# KiCad board electrosteel2020_10_arrange7_synthboardsonlyrev7.kicad_pcb
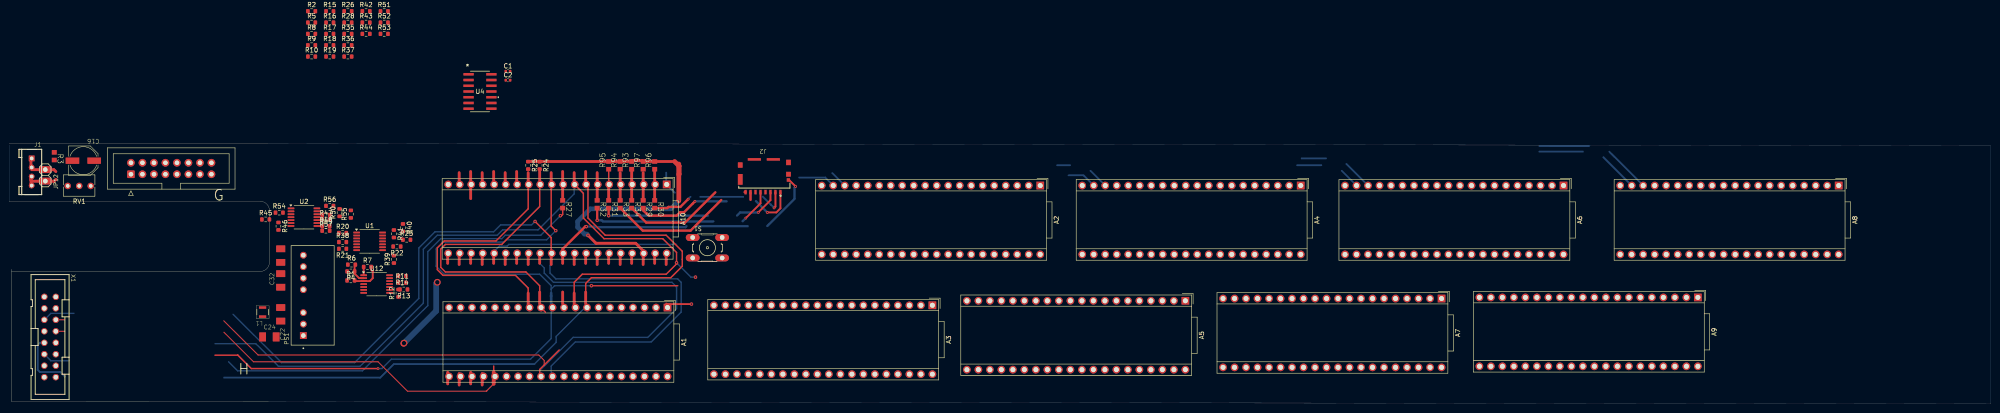
[diagram p0: board, top side]
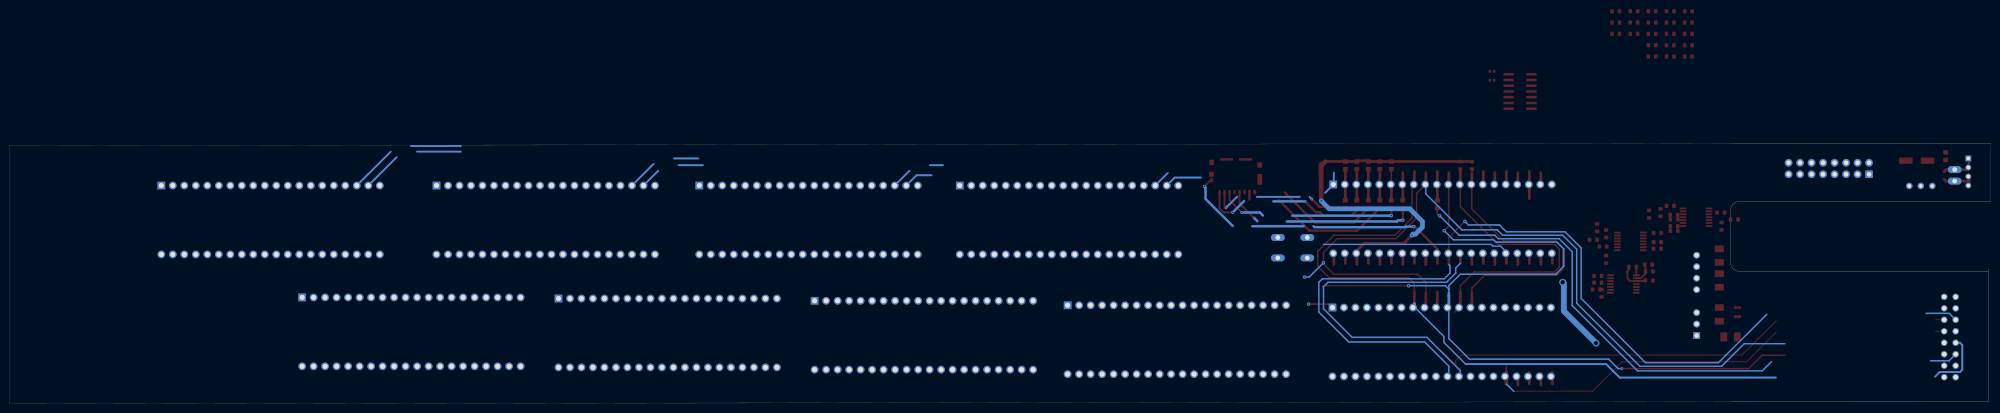
[diagram p1: board, bottom side, seen from below]

Outline 437.75 x 57.68 mm; copper layers: Top, In1.Cu, In2.Cu, Bottom. Coordinates in mm from the lower left corner of the outline.
Outline path: 0,57.68 57.26,57.68 ; 0,57.33 0,44.83 55.5,44.83 arc(56.91,44.25) 57.5,42.83 57.5,31.33 arc(56.91,29.92) 55.5,29.33 0.5,29.33 ; 0.5,29.83 0.5,0.53 57.26,0.51 437.75,0 437.75,57.15 57.26,57.66

## Placement (name value [footprint] x y rotation side)
A1  Electrosmith_Daisy_Seed_Rev4  [Electrosmith_Daisy_Seed]  145.44 21.33 270 top
A2  Electrosmith_Daisy_Seed_Rev4  [Electrosmith_Daisy_Seed]  227.76 48.33 270 top
A3  Electrosmith_Daisy_Seed_Rev4  [Electrosmith_Daisy_Seed]  203.94 21.83 270 top
A4  Electrosmith_Daisy_Seed_Rev4  [Electrosmith_Daisy_Seed]  285.3 48.33 270 top
A5  Electrosmith_Daisy_Seed_Rev4  [Electrosmith_Daisy_Seed]  259.82 22.83 270 top
A6  Electrosmith_Daisy_Seed_Rev4  [Electrosmith_Daisy_Seed]  343.34 48.33 270 top
A7  Electrosmith_Daisy_Seed_Rev4  [Electrosmith_Daisy_Seed]  316.4 23.33 270 top
A8  Electrosmith_Daisy_Seed_Rev4  [Electrosmith_Daisy_Seed]  404.12 48.33 270 top
A9  Electrosmith_Daisy_Seed_Rev4  [Electrosmith_Daisy_Seed]  373.02 23.57 270 top
A10  Electrosmith_Daisy_Seed_Rev4  [Electrosmith_Daisy_Seed]  145.26 48.57 270 top
C1  C  [C_0402_1005Metric]  110.19 73.61 0 top
C2  C  [C_0402_1005Metric]  110.19 71.64 0 top
C16  22uf  [PANASONIC_D]  16.4 53.83 0 top
C22  10uf  [C1206K]  60 19.83 270 top
C23  10uf  [C1206K]  60 32.83 90 top
C24  10uf  [C1206K]  57.5 14.83 0 top
C32  10uf  [C1206K]  60 27.33 90 top
J1  4P-2.0  [HW4-2.0_8004395]  5 51.33 270 top
J2  -  [105162-0001]  166.82 54.22 0 top
J3  Conn_02x08_Counter_Clockwise  [IDC-Header_2x08_P2.54mm_Vertical]  26.92 50.83 90 top
JP12  PINHD-1X2  [1X02_16378166]  8.01 50.59 270 top
L1  2.2uH  [BOURNS_SRP2010]  56 20.33 90 top
PS1  UWE1215S-3WR3  [CONV_UWE1215S-3WR3]  67.05 24.02 90 top
R1  10K  [R_0603_1608Metric]  75.49 27.33 0 top
R2  10K  [R_0603_1608Metric]  66.83 86.91 0 top
R3  560R  [R0603]  10 54.83 270 top
R4  10K  [R_0603_1608Metric]  75.5 29.33 180 top
R5  10K  [R_0603_1608Metric]  66.83 84.4 0 top
R6  10K  [R_0603_1608Metric]  75.65 30.83 0 top
R7  10K  [R_0603_1608Metric]  79.15 30.33 0 top
R8  10K  [R_0603_1608Metric]  66.83 81.89 0 top
R9  10K  [R_0603_1608Metric]  66.83 79.38 0 top
R10  10K  [R_0603_1608Metric]  66.83 76.87 0 top
R11  10K  [R_0603_1608Metric]  86.83 26.83 0 top
R12  10K  [R_0603_1608Metric]  86 24.51 90 top
R13  10K  [R_0603_1608Metric]  87.17 25.33 180 top
R14  10K  [R_0603_1608Metric]  86.83 28.33 180 top
R15  10K  [R_0603_1608Metric]  70.84 86.91 0 top
R16  10K  [R_0603_1608Metric]  70.84 84.4 0 top
R17  10K  [R_0603_1608Metric]  70.84 81.89 0 top
R18  10K  [R_0603_1608Metric]  70.84 79.38 0 top
R19  10K  [R_0603_1608Metric]  70.84 76.87 0 top
R20  10K  [R_0603_1608Metric]  73.67 37.83 0 top
R21  10K  [R_0603_1608Metric]  73.67 34.33 180 top
R22  10K  [R_0603_1608Metric]  85.67 34.83 180 top
R23  10K  [R_0603_1608Metric]  87.83 36.33 0 top
R24  2K  [R_0603_1608Metric]  117.2 52.8 270 top
R25  2K  [R_0603_1608Metric]  114.66 52.8 270 top
R26  10K  [R_0603_1608Metric]  74.84 86.91 0 top
R27  47R  [R0603]  122.28 44.2 270 top
R28  10K  [R_0603_1608Metric]  74.84 84.4 0 top
R29  47R  [R0603]  140.06 44.2 270 top
R30  47R  [R0603]  142.6 44.2 270 top
R31  47R  [R0603]  132.44 44.2 270 top
R32  47R  [R0603]  129.9 44.2 270 top
R33  47R  [R0603]  134.98 44.2 270 top
R34  47R  [R0603]  137.52 44.2 270 top
R35  10K  [R_0603_1608Metric]  74.84 81.89 0 top
R36  10K  [R_0603_1608Metric]  74.84 79.38 0 top
R37  10K  [R_0603_1608Metric]  74.84 76.87 0 top
R38  10K  [R_0603_1608Metric]  73.67 35.83 0 top
R39  10K  [R_0603_1608Metric]  85 32.01 90 top
R40  10K  [R_0603_1608Metric]  87 39.01 270 top
R41  10K  [R_0603_1608Metric]  85 37.66 270 top
R42  10K  [R_0603_1608Metric]  78.86 86.91 0 top
R43  10K  [R_0603_1608Metric]  78.86 84.4 0 top
R44  10K  [R_0603_1608Metric]  78.86 81.89 0 top
R45  10K  [R_0603_1608Metric]  56.67 40.83 0 top
R46  10K  [R_0603_1608Metric]  59.5 39.33 270 top
R47  10K  [R_0603_1608Metric]  69.99 40.83 0 top
R48  10K  [R_0603_1608Metric]  69.99 39.33 0 top
R49  10K  [R_0603_1608Metric]  70.01 41.83 180 top
R50  10K  [R_0603_1608Metric]  73 42.34 90 top
R51  10K  [R_0603_1608Metric]  82.86 86.91 0 top
R52  10K  [R_0603_1608Metric]  82.86 84.4 0 top
R53  10K  [R_0603_1608Metric]  82.86 81.89 0 top
R54  10K  [R_0603_1608Metric]  59.67 42.33 0 top
R55  10K  [R_0603_1608Metric]  75.5 42.01 90 top
R56  10K  [R_0603_1608Metric]  70.83 43.83 0 top
R57  600R  [R_0603_1608Metric]  69.99 38.33 0 top
R93  47k  [R0603]  137.52 52.8 90 top
R94  47k  [R0603]  134.98 52.8 90 top
R95  47k  [R0603]  132.44 52.8 90 top
R96  47k  [R0603]  142.6 52.8 90 top
R97  47k  [R0603]  140.06 52.8 90 top
RV1  50k  [Potentiometer_Bourns_3266Y_Vertical]  12.96 48.24 180 top
S1  10-XX  [B3F-10XX_377]  154.25 34.57 0 top
U1  OPA1664PW  [TSSOP-14_4.4x5mm_P0.65mm]  79.64 35.98 0 top
U2  OPA1664PW  [TSSOP-14_4.4x5mm_P0.65mm]  65.14 41.33 0 top
U4  INA2134UA  [D14-M]  104.01 69.14 0 top
U12  OPA1664PW  [TSSOP-14_4.4x5mm_P0.65mm]  81.19 26.53 0 top
X1  2516-  [PAK100_2500-16_119]  9.06 14.81 270 top

## Library data of the parts
A1-A10 = -: Datasheet: https://static1.squarespace.com/static/58d03fdc1b10e3bf442567b8/t/6227e6236f02fb68d1577146/1646781988478/Daisy_Seed_datasheet_v1.0.3.pdf; Description: Daisy is an embedded platform for music.; ki_fp_filters: Electrosmith*Daisy*Seed*
C1 C2 = -: Description: Unpolarized capacitor; ki_fp_filters: C_*
C16 = -: Description: POLARIZED CAPACITOR, American symbol; PARTNO: EEE-1CA220NP
C22-C24 C32 = -: Description: CAPACITOR, European symbol; PARTNO: TMK316F106ZL-T
J1 = -: Description: 320110033; PARTNO: 110990030
J2 = -: Description: Memory Card Connectors 1.45H MICRO SD HEADER WITH D/C PIN / Source: http://www.molex.com/webdocs/datasheets/pdf/en-us//1051620001_MEMORY_CARD_SOCKET.pdf  Datasheet   https://pricing.snapeda.com/parts/1051620001/Molex/view-part?ref=eda Check prices
J3 = -: Description: Generic connector, double row, 02x08, counter clockwise pin numbering scheme (similar to DIP package numbering), script generated (kicad-library-utils/schlib/autogen/connector/); ki_fp_filters: Connector*:*_2x??_*
JP12 = -: Description: PIN HEADER; PARTNO: *DNP
L1 = -: PARTNO: SRP2010-2R2M
PS1 = -: Description: DC/DC Converter
R1 R2 R4-R26 R28 R35-R57 = -: Description: Resistor; ki_fp_filters: R_*
R3 = -: Description: RESISTOR, American symbol; PARTNO: ESR03EZPF5600
R27 R29-R34 = -: Description: RESISTOR, American symbol; PARTNO: RC0603JR-0747RL
R93-R97 = -: Description: RESISTOR, American symbol; PARTNO: ESR03EZPJ473
RV1 = -: Description: Trim-potentiometer, US symbol; ki_fp_filters: Potentiometer*
S1 = -: Description: OMRON SWITCH
U1 U2 U12 = -: Datasheet: https://www.ti.com/lit/ds/symlink/opa1664.pdf; Description: Quad Low-Power, Low-Noise, Low-Distortion, Bipolar-Input SoundPlus Audio Operational Amplifiers, TSSOP-14; ki_fp_filters: TSSOP*4.4x5mm*P0.65mm*
U4 = -: Datasheet: https://www.ti.com/lit/gpn/ina2134; ki_fp_filters: D14 D14-M D14-L
X1 = -: Description: 3M (TM) Pak 100 4-Wall Header / Source: 3M; PARTNO: SBH11-PBPC-D08-ST-BK

## Footprints (pads in the part's own frame, mm; a bottom-side part is the same pattern mirrored in y, then rotated)
1X02_16378166
  oval 1.524x3.048 hole 1.016: 1(-1.27,0) 2(1.27,0)
105162-0001
  rect 0.5x1 smd: 1(3.55,-7.34) 2(2.45,-7.34) 3(1.35,-7.34) 4(0.25,-7.34) 5(-0.85,-7.34) 6(-1.95,-7.34) 7(-3.05,-7.34) 8(-4.15,-7.34)
  rect 0.72x0.78 smd: 9(5.31,-4.66)
  rect 1.05x1.08 smd: 10(5.325,-3.39)
  rect 1.05x1.2 smd: 11(5.325,-0.78) 12(-5.325,-1.35)
  rect 1.05x2.39 smd: 13(-5.325,-4.535)
  rect 2.91x0.55 smd: 14(1.986,-0.105) 15(-2.204,-0.105)
B3F-10XX_377
  oval 3.048x1.524 hole 1.016: 1(-3.251,2.261) 2(3.251,2.261) 3(-3.251,-2.261) 4(3.251,-2.261)
BOURNS_SRP2010
  rect 0.559x1.6 smd: P$1(-1.003,0) P$2(1.003,0)
C1206K
  rect 1.5x2 smd: 1(-1.5,0) 2(1.5,0)
C_0402_1005Metric
  rrect 0.56x0.62 smd: 1(-0.48,0) 2(0.48,0)
CONV_UWE1215S-3WR3
  rect 1.508x1.508 hole 1: 1(-8.89,2.05)
  round 1.508 hole 1: 2(-6.35,2.05) 3(-3.81,2.05) 5(1.27,2.05) 6(3.81,2.05) 7(6.35,2.05) 8(8.89,2.05)
D14-M
  rect 2.286x0.559 smd: 1(-2.515,3.81) 2(-2.515,2.54) 3(-2.515,1.27) 4(-2.515,0) 5(-2.515,-1.27) 6(-2.515,-2.54) 7(-2.515,-3.81) 8(2.515,-3.81) 9(2.515,-2.54) 10(2.515,-1.27) 11(2.515,0) 12(2.515,1.27) 13(2.515,2.54) 14(2.515,3.81)
Electrosmith_Daisy_Seed
  rect 1.7x1.7 hole 1.1: 1(0,0)
  round 1.7 hole 1.1: 2(0,-2.54) 3(0,-5.08) 4(0,-7.62) 5(0,-10.16) 6(0,-12.7) 7(0,-15.24) 8(0,-17.78) 9(0,-20.32) 10(0,-22.86) 11(0,-25.4) 12(0,-27.94) 13(0,-30.48) 14(0,-33.02) 15(0,-35.56) 16(0,-38.1) 17(0,-40.64) 18(0,-43.18) 19(0,-45.72) 20(0,-48.26) 21(15.24,-48.26) 22(15.24,-45.72) 23(15.24,-43.18) 24(15.24,-40.64) 25(15.24,-38.1) 26(15.24,-35.56) 27(15.24,-33.02) 28(15.24,-30.48) 29(15.24,-27.94) 30(15.24,-25.4) 31(15.24,-22.86) 32(15.24,-20.32) 33(15.24,-17.78) 34(15.24,-15.24) 35(15.24,-12.7) 36(15.24,-10.16) 37(15.24,-7.62) 38(15.24,-5.08) 39(15.24,-2.54) 40(15.24,0)
HW4-2.0_8004395
  rect 1.27x1.27 hole 0.8: 1(-3,0)
  round 1.27 hole 0.8: 2(-1,0) 3(1,0) 4(3,0)
IDC-Header_2x08_P2.54mm_Vertical
  rrect 1.7x1.7 hole 1: 1(0,0)
  round 1.7 hole 1: 2(2.54,0) 3(0,-2.54) 4(2.54,-2.54) 5(0,-5.08) 6(2.54,-5.08) 7(0,-7.62) 8(2.54,-7.62) 9(0,-10.16) 10(2.54,-10.16) 11(0,-12.7) 12(2.54,-12.7) 13(0,-15.24) 14(2.54,-15.24) 15(0,-17.78) 16(2.54,-17.78)
PAK100_2500-16_119
  round 1.422 hole 1: 1(-8.89,-1.27) 2(-8.89,1.27) 3(-6.35,-1.27) 4(-6.35,1.27) 5(-3.81,-1.27) 6(-3.81,1.27) 7(-1.27,-1.27) 8(-1.27,1.27) 9(1.27,-1.27) 10(1.27,1.27) 11(3.81,-1.27) 12(3.81,1.27) 13(6.35,-1.27) 14(6.35,1.27) 15(8.89,-1.27) 16(8.89,1.27)
PANASONIC_D
  rect 3x1.4 smd: +(2.4,0) -(-2.4,0)
Potentiometer_Bourns_3266Y_Vertical
  round 1.44 hole 0.8: 1(0,0) 2(-2.54,0) 3(-5.08,0)
R0603
  rect 1x1.1 smd: 1(-0.85,0) 2(0.85,0)
R_0603_1608Metric
  rrect 0.8x0.95 smd: 1(-0.825,0) 2(0.825,0)
TSSOP-14_4.4x5mm_P0.65mm
  rrect 1.475x0.4 smd: 1(-2.862,1.95) 2(-2.862,1.3) 3(-2.862,0.65) 4(-2.862,0) 5(-2.862,-0.65) 6(-2.862,-1.3) 7(-2.862,-1.95) 8(2.862,-1.95) 9(2.862,-1.3) 10(2.862,-0.65) 11(2.862,0) 12(2.862,0.65) 13(2.862,1.3) 14(2.862,1.95)

## Nets
+3V3: J2.4 R93.2 R94.2 R95.2 R96.2 R97.2
+12V: A1.39 A2.39 A3.39 A4.39 A5.39 A6.39 A7.39 A8.39 A9.39 A10.39 C24.1 L1.P$1 X1.1 X1.3
+15V: C1.1 C32.1 PS1.6 U1.4 U2.4 U4.11 U12.4
-15V: C2.2 C23.2 PS1.8 U4.4
DGND4: A1.20 A1.34 A1.36 A1.37 A1.40 A2.20 A2.34 A2.35 A2.36 A2.40 A3.20 A3.34 A3.37 A3.40 A4.20 A4.34 A4.35 A4.36 A4.40 A5.20 A5.34 A5.36 A5.40 A6.20 A6.34 A6.35 A6.40 A7.20 A7.34 A7.40 A8.20 A8.35 A8.36 A8.37 A8.40 A9.20 A9.36 A9.37 A9.40 A10.20 A10.34 A10.35 A10.36 A10.37 A10.40 C22.2 C24.2 J2.6 J2.10 J2.11 J2.12 J2.13 PS1.1 S1.3 S1.4 X1.2
GNDINT: C1.2 C2.1 C23.1 C32.2 J1.3 J1.4 JP12.2 PS1.7 R6.1 R9.1 R13.1 R17.1 R37.1 R38.1 R40.1 R42.1 R50.2 R53.1 R54.1 R56.1 RV1.3 U2.13 U4.8 U4.14
/electrosteel2020_10_arrange7_synthboardsonlyrev6_1/CLK: J2.5 R32.2
/electrosteel2020_10_arrange7_synthboardsonlyrev6_1/CMD: J2.3 R31.2
/electrosteel2020_10_arrange7_synthboardsonlyrev6_1/DAT0: J2.7 R33.2
/electrosteel2020_10_arrange7_synthboardsonlyrev6_1/DAT1: J2.8 R34.2
/electrosteel2020_10_arrange7_synthboardsonlyrev6_1/DAT2: J2.1 R29.2
/electrosteel2020_10_arrange7_synthboardsonlyrev6_1/DAT3: J2.2 R30.2
/electrosteel2020_10_arrange7_synthboardsonlyrev6_1/I2C_SCL: A1.12 A2.12 A3.12 A4.12 A5.12 A6.12 A7.12 A8.12 A9.12 A10.12 R24.2
/electrosteel2020_10_arrange7_synthboardsonlyrev6_1/I2C_SDA: A1.13 A2.13 A3.13 A4.13 A5.13 A6.13 A7.13 A8.13 A9.13 A10.13 R25.2
/electrosteel2020_10_arrange7_synthboardsonlyrev6_1/IN_N: A1.17 A2.17 A3.17 A4.17 A5.17 A6.17 A7.17 A8.17 A9.17 A10.17
/electrosteel2020_10_arrange7_synthboardsonlyrev6_1/IN_P: A1.16 A2.16 A3.16 A4.16 A5.16 A6.16 A7.16 A8.16 A9.16 A10.16
/electrosteel2020_10_arrange7_synthboardsonlyrev6_1/MASTER_SIGNAL: A1.1 A2.1 A3.1 A4.1 A5.1 A6.1 A7.1 A8.1 A9.1 A10.1
/electrosteel2020_10_arrange7_synthboardsonlyrev6_1/MISO_2: R27.1
/electrosteel2020_10_arrange7_synthboardsonlyrev6_1/MOSI_2: A1.11 A2.11 A3.11 A4.11 A5.11 A6.11 A7.11 A8.11 A9.11 A10.11 X1.12
/electrosteel2020_10_arrange7_synthboardsonlyrev6_1/OUT1_N: A10.19 R19.2 U4.3
/electrosteel2020_10_arrange7_synthboardsonlyrev6_1/OUT1_P: A10.18 R18.1 U4.2 U4.12 U4.13
/electrosteel2020_10_arrange7_synthboardsonlyrev6_1/OUT1_S: R7.1 R35.1 R51.1 U1.1 U2.1 U12.1
/electrosteel2020_10_arrange7_synthboardsonlyrev6_1/OUT2_N: A1.19 R4.2 U4.6
/electrosteel2020_10_arrange7_synthboardsonlyrev6_1/OUT2_P: A1.18 R1.1 U4.5 U4.9 U4.10
/electrosteel2020_10_arrange7_synthboardsonlyrev6_1/OUT3_N: A2.19 R21.2
/electrosteel2020_10_arrange7_synthboardsonlyrev6_1/OUT3_P: A2.18 R20.1
/electrosteel2020_10_arrange7_synthboardsonlyrev6_1/OUT4_N: A3.19 R5.2
/electrosteel2020_10_arrange7_synthboardsonlyrev6_1/OUT4_P: A3.18 R2.1
/electrosteel2020_10_arrange7_synthboardsonlyrev6_1/OUT5_N: A4.19 R28.2
/electrosteel2020_10_arrange7_synthboardsonlyrev6_1/OUT5_P: A4.18 R26.1
/electrosteel2020_10_arrange7_synthboardsonlyrev6_1/OUT6_N: A5.19 R11.2
/electrosteel2020_10_arrange7_synthboardsonlyrev6_1/OUT6_P: A5.18 R10.1
/electrosteel2020_10_arrange7_synthboardsonlyrev6_1/OUT7_N: A6.19 R44.2
/electrosteel2020_10_arrange7_synthboardsonlyrev6_1/OUT7_P: A6.18 R43.1
/electrosteel2020_10_arrange7_synthboardsonlyrev6_1/OUT8_N: A7.19 R15.2
/electrosteel2020_10_arrange7_synthboardsonlyrev6_1/OUT8_P: A7.18 R14.1
/electrosteel2020_10_arrange7_synthboardsonlyrev6_1/OUT9_N: A8.19 R46.2
/electrosteel2020_10_arrange7_synthboardsonlyrev6_1/OUT9_P: A8.18 R45.1
/electrosteel2020_10_arrange7_synthboardsonlyrev6_1/OUT10_N: A9.19 R23.2
/electrosteel2020_10_arrange7_synthboardsonlyrev6_1/OUT10_P: A9.18 R22.1
/electrosteel2020_10_arrange7_synthboardsonlyrev6_1/PA1_SD_DETECT: J2.9
/electrosteel2020_10_arrange7_synthboardsonlyrev6_1/SCLK_2: A1.9 A2.9 A3.9 A4.9 A5.9 A6.9 A7.9 A8.9 A9.9 A10.9 X1.10
/electrosteel2020_10_arrange7_synthboardsonlyrev6_1/SD_CLK: A10.7 R32.1
/electrosteel2020_10_arrange7_synthboardsonlyrev6_1/SD_CMD: A10.6 R31.1 R95.1
/electrosteel2020_10_arrange7_synthboardsonlyrev6_1/SD_DAT0: A10.5 R33.1 R94.1
/electrosteel2020_10_arrange7_synthboardsonlyrev6_1/SD_DAT1: A10.4 R34.1 R93.1
/electrosteel2020_10_arrange7_synthboardsonlyrev6_1/SD_DAT2: A10.3 R29.1 R97.1
/electrosteel2020_10_arrange7_synthboardsonlyrev6_1/SD_DAT3: A10.2 R30.1 R96.1
/electrosteel2020_10_arrange7_synthboardsonlyrev6_1/SPI6_CLK: A1.29 A2.29 A3.29 A4.29 A5.29 A6.29 A7.29 A8.29 A9.29 A10.29 X1.6
/electrosteel2020_10_arrange7_synthboardsonlyrev6_1/SPI6_MOSI: A1.25 A2.25 A3.25 A4.25 A5.25 A6.25 A7.25 A8.25 A9.25 A10.25 X1.8
/electrosteel2020_10_arrange7_synthboardsonlyrev6_1/SPI6_NSS: A1.30 A2.30 A3.30 A4.30 A5.30 A6.30 A7.30 A8.30 A9.30 A10.30 X1.5
/electrosteel2020_10_arrange7_synthboardsonlyrev6_1/SS_2: A1.8 A2.8 A3.8 A4.8 A5.8 A6.8 A7.8 A8.8 A9.8 A10.8 X1.9
Net-(A1-3V3_D): A1.35 A1.38
Net-(A2-3V3_D): A2.37 A2.38
Net-(A3-3V3_D): A3.35 A3.36 A3.38
Net-(A4-3V3_D): A4.37 A4.38
Net-(A5-3V3_D): A5.35 A5.37 A5.38
Net-(A6-3V3_D): A6.36 A6.37 A6.38
Net-(A7-3V3_D): A7.35 A7.36 A7.37 A7.38
Net-(A8-3V3_D): A8.34 A8.38
Net-(A9-SAI2_FS): A9.34 A9.35
Net-(A10-3V3_D): A10.38 R24.1 R25.1
Net-(A10-USART1_TX): A10.14 S1.1 S1.2
Net-(C16-Pad-): C16.- R3.1
Net-(J1-Pad1): J1.1 J1.2 JP12.1 RV1.2
Net-(PS1-VIN): C22.1 L1.P$2 PS1.2
Net-(R3-Pad2): R3.2 RV1.1
Net-(R8-Pad1): R8.1 U12.7
Net-(R12-Pad1): R12.1 U12.8
Net-(R16-Pad1): R16.1 U12.14
Net-(R36-Pad1): R36.1 U1.7
Net-(R39-Pad1): R39.1 U1.8
Net-(R41-Pad1): R41.1 U1.14
Net-(R49-Pad1): R49.1 R50.1
Net-(R52-Pad1): R52.1 U2.7
Net-(R55-Pad1): R55.1 R57.1 U2.8
Net-(U1A-+): R18.2 R35.2 U1.3
Net-(U1A--): R19.1 R37.2 U1.2
Net-(U1B-+): R20.2 R36.2 U1.5
Net-(U1B--): R21.1 R38.2 U1.6
Net-(U1C-+): R22.2 R39.2 U1.10
Net-(U1C--): R23.1 R40.2 U1.9
Net-(U1D-+): R26.2 R41.2 U1.12
Net-(U1D--): R28.1 R42.2 U1.13
Net-(U2A-+): R43.2 R51.2 U2.3
Net-(U2A--): R44.1 R53.2 U2.2
Net-(U2B-+): R45.2 R52.2 U2.5
Net-(U2B--): R46.1 R54.2 U2.6
Net-(U2C-+): R47.2 R55.2 U2.10
Net-(U2C--): R48.1 R56.2 U2.9
Net-(U2D-+): R49.2 R57.2 U2.12 U2.14
Net-(U12A-+): R1.2 R7.2 U12.3
Net-(U12A--): R4.1 R6.2 U12.2
Net-(U12B-+): R2.2 R8.2 U12.5
Net-(U12B--): R5.1 R9.2 U12.6
Net-(U12C-+): R10.2 R12.2 U12.10
Net-(U12C--): R11.1 R13.2 U12.9
Net-(U12D-+): R14.2 R16.2 U12.12
Net-(U12D--): R15.1 R17.2 U12.13
Net-(X1C-KL): R27.2 X1.11

Pads without a net: A1 2 3 4 5 6 7 10 14 15 21 22 23 24 26 27 28 31 32 33; A2 2 3 4 5 6 7 10 14 15 21 22 23 24 26 27 28 31 32 33; A3 2 3 4 5 6 7 10 14 15 21 22 23 24 26 27 28 31 32 33; A4 2 3 4 5 6 7 10 14 15 21 22 23 24 26 27 28 31 32 33; A5 2 3 4 5 6 7 10 14 15 21 22 23 24 26 27 28 31 32 33; A6 2 3 4 5 6 7 10 14 15 21 22 23 24 26 27 28 31 32 33; A7 2 3 4 5 6 7 10 14 15 21 22 23 24 26 27 28 31 32 33; A8 2 3 4 5 6 7 10 14 15 21 22 23 24 26 27 28 31 32 33; A9 2 3 4 5 6 7 10 14 15 21 22 23 24 26 27 28 31 32 33 38; A10 10 15 21 22 23 24 26 27 28 31 32 33; C16 +; J2 14 15; J3 1 2 3 4 5 6 7 8 9 10 11 12 13 14 15 16; PS1 3 5; R47 1; R48 2; U1 11; U2 11; U4 1 7; U12 11; X1 4 7 13 14 15 16

## Via types
v1: diameter 1.5, hole 1, Top to Bottom, 2 vias
v2: diameter 0.6, hole 0.3, Top to Bottom, 8 vias
v3: diameter 0.756, hole 0.35, Top to Bottom, 12 vias

## Routing (per net, layer and track width the routed paths; a pad name or vN(x,y) marks a point on that pad's centre or on a via; arc(x,y) is an arc through that point)
+3V3: length 35.8
  Top w0.61: 114.66,53.65 R95.2 R94.2 R93.2 137.69,53.81 139.89,53.81 R97.2 R96.2 147,53.65
  Top w1.016: 147,53.65 148,52.65 148,50.83 147.93,50.77
+12V: length 19.2
  Top w0.61: 142.6,33.66 142.6,31.12
  Top w1.27: 87.1,13.34 v1(87.23,13.46)
  Bottom w1.27: v1(87.23,13.46) 94.34,20.57 94.34,26.67 v1(94.59,26.92)
DGND4: length 12.7
  Top w0.61: 134.98,33.4 134.98,30.86 ; 145.14,33.4 145.14,30.86 ; 129.9,33.4 129.9,30.86 ; 137.52,33.66 137.52,31.12 ; 132.44,33.66 132.44,31.12
GNDINT: length 8.3
  Top w0.61: 10.34,49.71 9.92,49.29 5.11,49.29 4.84,49.56 4.84,50.07 4.84,48.07
/electrosteel2020_10_arrange7_synthboardsonlyrev6_1/CLK: length 36.5
  Top w0.4: J2.5 165.97,44.38 v2(162.72,41.13)
  Top w0.508: R32.2 v3(129.9,40.64)
  Bottom w0.508: v2(162.72,41.13) 162.03,40.44 ; v3(129.9,40.64) 130.92,40.64 131.17,40.39 155.55,40.39
/electrosteel2020_10_arrange7_synthboardsonlyrev6_1/CMD: length 34.1
  Top w0.4: J2.3 168.18,45.08 v2(165.47,42.38)
  Top w0.508: R31.2 v3(132.44,41.66)
  Bottom w0.508: 154.32,41.66 v3(132.44,41.66) ; 160.8,41.71 161.47,42.38 v2(165.47,42.38)
/electrosteel2020_10_arrange7_synthboardsonlyrev6_1/DAT0: length 28.9
  Top w0.508: 157.3,45.13 150.52,38.35 139.97,38.35 R33.2 ; 163.78,45.18 J2.7
/electrosteel2020_10_arrange7_synthboardsonlyrev6_1/DAT1: length 22.8
  Top w0.508: 162.47,46.88 J2.8 ; R34.2 140.73,40.13 149.3,40.13 156,46.83
/electrosteel2020_10_arrange7_synthboardsonlyrev6_1/DAT2: length 31.2
  Top w0.4: J2.1 170.38,43.28 169.47,42.38 v2(167.47,42.38)
  Top w0.508: R29.2 140.06,42.84 140.73,42.16 140.82,42.16 141.33,41.66 147.43,41.66 148.19,42.42 149.09,42.42 v2(151.5,44.83)
  Bottom w0.508: 158.5,44.83 v2(151.5,44.83) ; v2(167.47,42.38) 164.97,44.88
/electrosteel2020_10_arrange7_synthboardsonlyrev6_1/DAT3: length 25.6
  Top w0.4: J2.2 169.28,43.68 v2(168.97,43.38)
  Top w0.508: v2(150,45.33) 148.27,43.6 145.65,43.6 145.39,43.35 R30.2
  Bottom w0.4: 166.47,45.88 168.25,44.11 168.28,44.11 168.7,43.68 168.7,43.65 v2(168.97,43.38) ; 162.15,45.83 152.65,45.83 ; 150.5,45.83 v2(150,45.33)
/electrosteel2020_10_arrange7_synthboardsonlyrev6_1/I2C_SCL: length 67.4
  Top w0.305: 117.2,22.23 117.2,21.59 118.47,20.32 ; 117.2,48.9 117.2,43.69 108.82,35.31 96.37,35.31 95.36,34.29 95.36,30.23 96.37,29.21 114.15,29.21 117.2,26.16 117.2,24.77
  Top w0.61: 117.2,24.77 117.2,22.23 ; 117.2,51.44 117.2,48.9
/electrosteel2020_10_arrange7_synthboardsonlyrev6_1/I2C_SDA: length 63
  Top w0.305: 114.66,24.51 114.66,25.65 111.87,28.45 95.86,28.45 94.59,29.72 94.59,34.54 96.12,36.07 107.55,36.07 114.66,43.18 114.66,48.64 ; 114.66,20.83 114.66,21.97
  Top w0.61: 114.66,51.18 114.66,48.64 ; 114.66,24.51 114.66,21.97
/electrosteel2020_10_arrange7_synthboardsonlyrev6_1/IN_N: length 2.5
  Top w0.61: 104.5,51.18 104.5,48.64
/electrosteel2020_10_arrange7_synthboardsonlyrev6_1/IN_P: length 2.5
  Top w0.61: 107.04,51.44 107.04,48.9
/electrosteel2020_10_arrange7_synthboardsonlyrev6_1/MASTER_SIGNAL: length 11.1
  Top w0.406: 145.14,22.23 145.27,22.1 ; 145.27,22.1 v3(150.73,22.1) ; 145.27,22.1 145.14,21.97
  Bottom w0.406: 145.14,51.18 145.14,48.64 147.04,46.74
/electrosteel2020_10_arrange7_synthboardsonlyrev6_1/MISO_2: length 6.4
  Top w0.61: 122.28,51.44 R27.1
/electrosteel2020_10_arrange7_synthboardsonlyrev6_1/MOSI_2: length 191.2
  Top w0.305: 147.68,26.16 v3(128.63,26.16) ; 45.5,10.79 50.46,10.79 50.5,10.83 53.5,7.83 v2(81.5,7.83) ; 119.74,48.64 119.74,39.37 v3(120.76,38.35)
  Top w0.61: 119.74,51.18 119.74,48.64
  Bottom w0.305: v3(120.76,38.35) 118.72,36.32 109.83,36.32 109.33,35.81 95.86,35.81 94.34,34.29 94.34,30.48 96.12,28.7 117.2,28.7 119.74,26.16 119.74,25.4 ; 119.74,25.4 120.5,26.16 v3(128.63,26.16) ; 119.74,25.4 119.74,23.88 ; v2(81.5,7.83) 82.36,7.83 84.43,9.91 115.17,9.91 119.74,14.48 119.74,21.97
  Bottom w0.61: 119.74,24.51 119.74,21.97
/electrosteel2020_10_arrange7_synthboardsonlyrev6_1/OUT1_N: length 2.5
  Top w0.61: 99.42,51.18 99.42,48.64
/electrosteel2020_10_arrange7_synthboardsonlyrev6_1/OUT1_P: length 6
  Top w0.61: 101.96,48.9 101.96,51.44 ; 101.96,48.26 101.96,45.44
  Top w0.813: 101.96,48.9 101.96,48.26
/electrosteel2020_10_arrange7_synthboardsonlyrev6_1/OUT1_S: length 1.8
  Top w0.4: R7.1 U12.1
/electrosteel2020_10_arrange7_synthboardsonlyrev6_1/OUT3_N: length 8.2
  Bottom w0.4: 174.52,50.09 180.28,50.09 A2.19
/electrosteel2020_10_arrange7_synthboardsonlyrev6_1/OUT3_P: length 3.9
  Bottom w0.4: A2.18 181.82,51.09
/electrosteel2020_10_arrange7_synthboardsonlyrev6_1/OUT5_N: length 6.5
  Bottom w0.4: A4.19 237.32,50.59 234.02,50.59
/electrosteel2020_10_arrange7_synthboardsonlyrev6_1/OUT5_P: length 7.5
  Bottom w0.4: A4.18 238.86,51.59 ; 234.34,52.83 231.5,52.83
/electrosteel2020_10_arrange7_synthboardsonlyrev6_1/OUT7_N: length 10
  Bottom w0.4: A6.19 294.36,51.59 ; 289.84,52.83 284.5,52.83
/electrosteel2020_10_arrange7_synthboardsonlyrev6_1/OUT7_P: length 12.1
  Bottom w0.4: 290.88,54.33 285.5,54.33 ; A6.18 295.4,53.09
/electrosteel2020_10_arrange7_synthboardsonlyrev6_1/OUT9_N: length 18.5
  Bottom w0.4: A8.19 352.14,54.59 ; 347.62,55.83 338,55.83
/electrosteel2020_10_arrange7_synthboardsonlyrev6_1/OUT9_P: length 21.5
  Bottom w0.4: 338,57.07 348.94,57.06 ; 353.46,55.82 A8.18
/electrosteel2020_10_arrange7_synthboardsonlyrev6_1/PA1_SD_DETECT: length 13.5
  Top w0.4: J2.9 172.3,49.56 v2(173.72,48.13)
  Bottom w0.508: v2(173.72,48.13) 173.47,47.88 173.47,45.38 167.47,39.38
/electrosteel2020_10_arrange7_synthboardsonlyrev6_1/SCLK_2: length 178.4
  Top w0.305: 124.82,48.64 126.85,46.61 126.85,41.15 131.42,36.58 144.38,36.58 147.43,33.53 v3(147.43,31.24) 147.43,30.99 145.14,28.7 126.6,28.7 124.82,26.92 124.82,24.51 ; 151.74,27.94 v3(151.62,28.07)
  Top w0.61: 124.82,24.51 124.82,21.97 ; 124.82,51.18 124.82,48.64
  Bottom w0.305: v3(147.43,31.24) 150.6,28.07 v3(151.62,28.07) ; 124.82,48.64 124.82,46.48 116.87,38.53 109.04,38.53 107.85,37.34 94.59,37.34 91.5,34.24 91.5,22.31 77.53,8.33 59.5,8.33 54.5,13.33 45.5,13.33
/electrosteel2020_10_arrange7_synthboardsonlyrev6_1/SD_CLK: length 6.1
  Top w0.61: R32.1 129.9,51.18
/electrosteel2020_10_arrange7_synthboardsonlyrev6_1/SD_CMD: length 6.4
  Top w0.305: 132.44,51.44 132.44,48.9
  Top w0.61: 132.44,48.9 R31.1
/electrosteel2020_10_arrange7_synthboardsonlyrev6_1/SD_DAT0: length 6.1
  Top w0.61: R33.1 134.98,51.18
/electrosteel2020_10_arrange7_synthboardsonlyrev6_1/SD_DAT1: length 6.4
  Top w0.61: 137.52,51.44 R34.1
/electrosteel2020_10_arrange7_synthboardsonlyrev6_1/SD_DAT2: length 6.1
  Top w0.61: 140.06,51.18 R29.1
/electrosteel2020_10_arrange7_synthboardsonlyrev6_1/SD_DAT3: length 6.4
  Top w0.61: 142.6,51.44 R30.1
/electrosteel2020_10_arrange7_synthboardsonlyrev6_1/SPI6_CLK: length 160.8
  Top w0.2: X1.6 12.25,18.62 ; 118.21,8.63 118.21,9.63 117,10.83 55,10.83 47.42,18.41
  Top w0.305: 117.2,6.99 117.2,7.62 121.52,11.94
  Top w0.61: 117.2,33.66 117.2,31.12
  Bottom w0.305: 117.2,31.12 118.22,30.1 118.22,28.96 120.25,26.92 146.41,26.92 147.43,25.91 147.43,21.08 141.08,14.73 124.57,14.73 117.2,7.37 117.2,6.99
/electrosteel2020_10_arrange7_synthboardsonlyrev6_1/SPI6_MOSI: length 117.5
  Top w0.2: X1.8 12.29,16.08 ; 107.04,4.45 105.5,2.91 105.5,2.83 88,2.83 81.5,9.33 54,9.33 47.46,15.87
  Top w0.305: 107.04,6.99 107.04,8.38
  Top w0.61: 107.04,33.66 107.04,31.12
  Top w0.813: 107.04,6.99 107.04,4.45
  Bottom w0.305: 147.43,35.31 110.38,35.31 110,34.93 108.31,34.93 107.04,33.66 ; 105.39,2.79 107.04,4.45
/electrosteel2020_10_arrange7_synthboardsonlyrev6_1/SPI6_NSS: length 182.4
  Top w0.305: 119.74,33.4 119.74,36.83 v3(116.18,40.39)
  Top w0.61: 119.74,33.4 119.74,30.86
  Bottom w0.305: v3(116.18,40.39) 115.42,39.62 108.56,39.62 107.04,38.1 94.09,38.1 90.5,34.51 90.5,23.34 76.31,9.14 60.19,9.14 49.5,19.83 ; 119.74,6.73 119.74,8.38 125.07,13.72 141.84,13.72 148.44,20.31 148.44,26.92 147.68,27.69 120.76,27.69 119.49,28.96 119.49,30.61 119.74,30.86 ; X1.5 9.21,20.04 14.33,20.04
/electrosteel2020_10_arrange7_synthboardsonlyrev6_1/SS_2: length 166.7
  Top w0.305: 127.36,24.77 127.36,26.67 128.63,27.94 146.16,27.94 148.7,30.48 148.7,33.78 145.14,37.34 131.68,37.34 127.87,41.15 127.87,48.39 127.36,48.9
  Top w0.61: 127.36,51.44 127.36,48.9 ; 127.36,24.77 127.36,22.23
  Bottom w0.305: 127.36,21.46 120.83,14.94 120.83,13.62 116.02,8.81
  Bottom w0.4: X1.9 6.83,13.54 6.33,13.04 6.33,7.54 6.81,7.06 11.31,7.06 12.33,6.04 ; 47.5,5.83 82,5.83 84.98,8.81 116.02,8.81
  Bottom w0.61: 127.36,21.46 127.36,22.23
Net-(A10-3V3_D): length 53.3
  Top w0.61: 140.06,30.86 140.06,33.91 138.41,35.56 129.65,35.56 v3(127.87,37.34)
  Top w1.016: 147.93,53.09 v3(147.93,44.96)
  Bottom w1.016: v3(147.93,44.96) 146.16,43.18 128.38,43.18 125.58,40.39 125.58,39.12 127.11,37.59 127.61,37.59 v3(127.87,37.34)
Net-(A10-USART1_TX): length 2.5
  Top w0.61: 112.12,51.44 112.12,48.9
Net-(J1-Pad1): length 7.8
  Top w0.61: 10.34,51.41 9.92,51.83 5.07,51.83 4.84,52.07 4.84,54.07
Net-(U12A-+): length 7
  Top w0.4: 76.33,27.33 76.47,27.18 U12.3 79.67,27.18 80.33,27.83 80.33,29.33 79.97,29.68 79.97,30.33
Net-(U12A--): length 3.9
  Top w0.4: 76.33,30.33 76.33,28.83 77.33,27.83 U12.2
Net-(X1C-KL): length 103.5
  Top w0.305: R27.2 122.28,41.91 122.03,41.66 v3(121.77,41.66)
  Bottom w0.305: v3(121.77,41.66) 117.45,37.34 109.58,37.34 108.82,36.58 95.36,36.58 92.5,33.72 92.5,21.78 78.05,7.33 50.5,7.33 48.49,9.35 ; 13.32,9.56 9.24,9.56 X1.11
unconnected-(A1-3V3_A-Pad21): length 2.5
  Top w0.61: 96.88,6.99 96.88,4.45
unconnected-(A1-ADC_0-Pad22): length 2.5
  Top w0.61: 99.42,6.73 99.42,4.19
unconnected-(A1-ADC_1-Pad23): length 2.5
  Top w0.61: 101.96,6.99 101.96,4.45
unconnected-(A1-ADC_2-Pad24): length 2.5
  Top w0.61: 104.5,6.73 104.5,4.19
unconnected-(A1-SPI1_POCI-Pad10): length 2.5
  Top w0.61: 122.28,24.77 122.28,22.23
unconnected-(A10-3V3_A-Pad21): length 2.5
  Top w0.61: 96.88,33.66 96.88,31.12
unconnected-(A10-ADC_0-Pad22): length 2.5
  Top w0.61: 99.42,33.4 99.42,30.86
unconnected-(A10-ADC_1-Pad23): length 2.5
  Top w0.61: 101.96,33.66 101.96,31.12
unconnected-(A10-ADC_2-Pad24): length 2.5
  Top w0.61: 104.5,33.4 104.5,30.86
unconnected-(A10-ADC_4-Pad26): length 2.5
  Top w0.61: 109.58,33.4 109.58,30.86
unconnected-(A10-ADC_5-Pad27): length 2.5
  Top w0.61: 112.12,33.66 112.12,31.12
unconnected-(A10-ADC_6-Pad28): length 2.5
  Top w0.61: 114.66,33.4 114.66,30.86
unconnected-(A10-SAI2_MCLK-Pad31): length 44.1
  Top w0.508: 122.28,34.29 127.23,39.24 v3(127.49,39.24)
  Top w0.61: 122.28,31.12 122.28,34.29
  Bottom w0.508: 149.62,39.33 149.41,39.12 129.39,39.12 129.26,39.24 v3(127.49,39.24) ; 163.15,39.33 151.77,39.33
unconnected-(A10-SAI2_SD_A-Pad33): length 2.5
  Top w0.61: 127.36,33.66 127.36,31.12
unconnected-(A10-SAI2_SD_B-Pad32): length 2.5
  Top w0.61: 124.82,33.4 124.82,30.86
unconnected-(A10-USART1_RX-Pad15): length 2.5
  Top w0.61: 109.58,51.18 109.58,48.64

## Copper pours and planes (outline as drawn; the poured copper is in the pictures)
+12V on In2.Cu: 176.02,38.59 324.52,39.59 410.02,39.59 409.52,0.69 324.74,0.95 62.2,0.95 61.98,1.17 61.98,18.95 63.43,20.4 89.84,20.4 99.03,11.21 382.02,11.59 382.02,28.09 317.52,27.59 101.02,27.59 101.02,25.09 100.02,24.09 97.79,24.09 97.79,33.68 99.49,35.39 174.42,35.39
+15V on In2.Cu: 58.91,56.69 93.5,57.33 93.5,40.33 91.71,39.12 88.5,34.33 88.5,24.33 87.5,22.83 73,22.83 72.5,24.33 58,24.33 58,27.33 57.5,44.33 57.71,57.89
DGND4 on In1.Cu: 440.15,57.33 440.15,-0.17 322.04,-0.94 59.19,-0.94 59.19,22.65 59.65,22.83 61.65,23.33 73.15,23.33 74.22,23.46 74.15,22.33 90.15,22.33 91.65,23.83 91.65,34.33 94.1,37.83 96.65,39.83 96.65,52.83 101.95,54.74 321.02,54.74
GNDINT on In1.Cu: 93.5,54.33 93.28,51.56 93.48,51.37 93.5,40.33 91.5,38.83 88,34.33 88,24.83 87,22.83 73,22.83 73,24.33 58,24.33 58.31,27.33 57.61,44.13 57.61,56.96 57.95,57.3 93.5,57.3

## Text on the board
F.Silkscreen: G | H
